# KiCad board cm4-baseboard.kicad_pcb (continued)
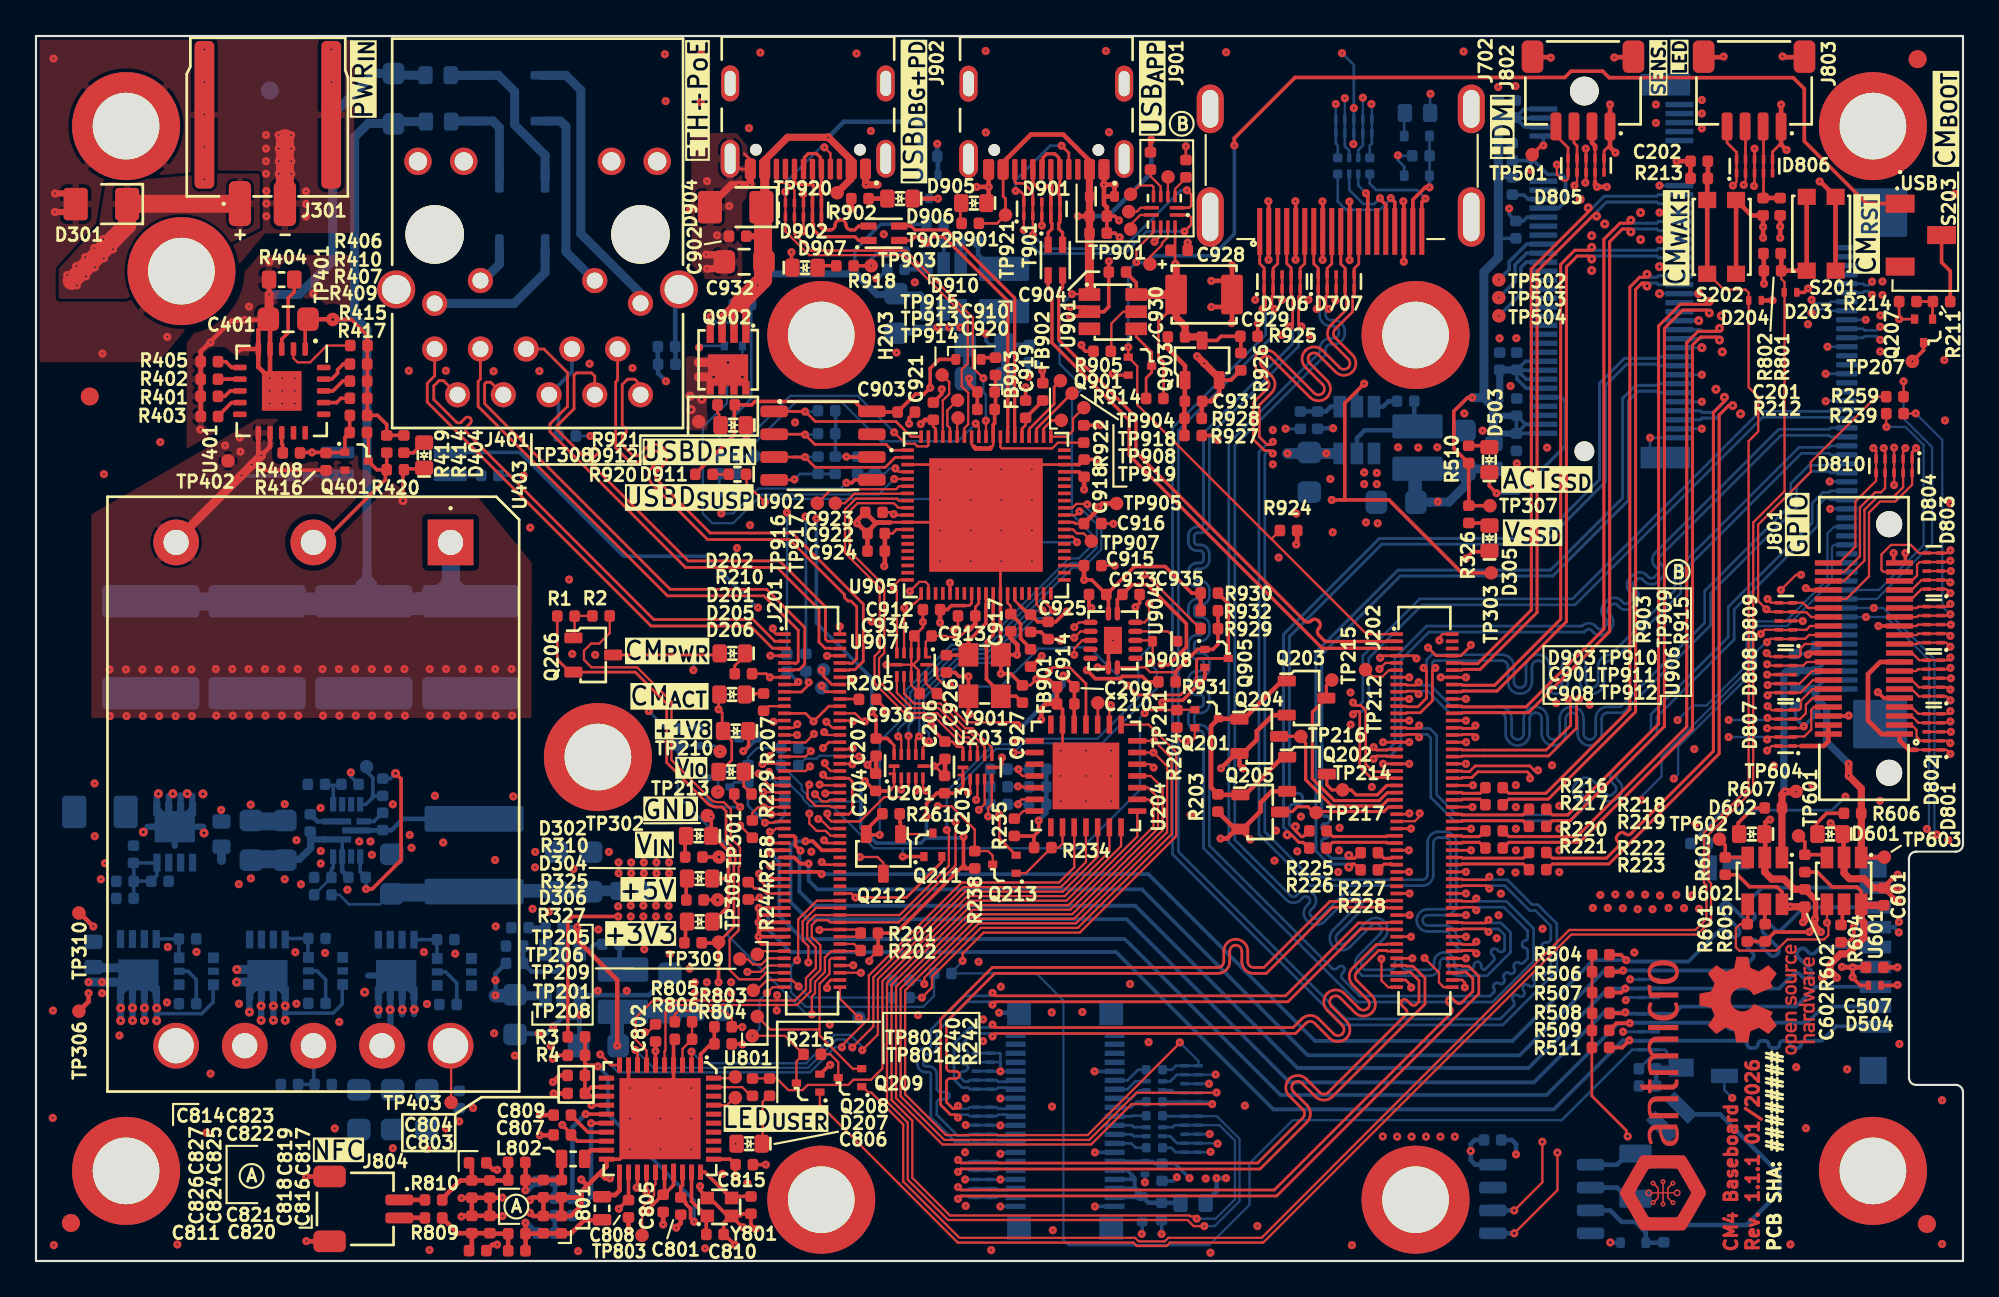
[diagram p0: board, top side]
## Placement (name value [footprint] x y rotation side) (continued)
R263  R_100k_0402  [R_0402_1005Metric]  39.53 27.05 90 bottom
R301  R_33k_0402  [R_0402_1005Metric]  8.41 14.28 0 bottom
R302  R_33k_0402  [R_0402_1005Metric]  22.88 14.24 0 bottom
R303  R_33k_0402  [R_0402_1005Metric]  15.6 14.3 0 bottom
R304  R_470k_0402  [R_0402_1005Metric]  8.41 17.88 180 bottom
R305  R_470k_0402  [R_0402_1005Metric]  22.75 17.84 180 bottom
R306  R_470k_0402  [R_0402_1005Metric]  15.6 17.9 180 bottom
R307  R_4k7_0402  [R_0402_1005Metric]  4.94 20.13 180 bottom
R308  R_0R_22.4A_0603  [R_0603_1608Metric]  10.3 23.7 90 bottom  (not fitted)
R309  R_4k7_0402  [R_0402_1005Metric]  4.94 21.08 0 bottom
R310  R_10k_0402  [R_0402_1005Metric]  36.52 22.42 0 top
R311  R_10k_0402  [R_0402_1005Metric]  26.57 16.53 180 bottom
R312  R_10k_0402  [R_0402_1005Metric]  26.57 17.48 0 bottom
R313  R_33k_0402  [R_0402_1005Metric]  15.57 26.46 180 bottom
R314  R_10k_0402  [R_0402_1005Metric]  17.43 26.46 180 bottom
R315  R_100k_0402  [R_0402_1005Metric]  19.25 26.3 270 bottom
R316  R_15k_0402  [R_0402_1005Metric]  15.92 20.32 0 bottom
R317  R_2k_0402  [R_0402_1005Metric]  15.92 21.29 0 bottom
R318  R_6k8_0402  [R_0402_1005Metric]  71.16 46.67 270 bottom
R319  R_2k2_0402  [R_0402_1005Metric]  70.21 46.67 90 bottom
R320  R_6k8_0402  [R_0402_1005Metric]  28.77 18.5 0 bottom
R321  R_2k2_0402  [R_0402_1005Metric]  26.88 18.5 0 bottom
R322  R_0R_22.4A_0603  [R_0603_1608Metric]  80.95 44.67 90 bottom
R323  R_0R_22.4A_0603  [R_0603_1608Metric]  37.4 13.82 0 bottom
R324  R_0R_22.4A_0603  [R_0603_1608Metric]  33 20.55 0 bottom
R325  R_1k_0402  [R_0402_1005Metric]  36.59 20.04 0 top
R326  R_470R_0402  [R_0402_1005Metric]  79.56 41.45 90 top
R327  R_470R_0402  [R_0402_1005Metric]  36.48 17.67 0 top
R328  R_0R_22.4A_0603  [R_0603_1608Metric]  3.18 17.02 90 bottom  (not fitted)
R401  R_1k3_0402  [R_0402_1005Metric]  9.62 48 0 top
R402  R_49k9_0402  [R_0402_1005Metric]  9.62 48.95 0 top
R403  R_0R_0402  [R_0402_1005Metric]  9.63 46.88 180 top
R404  R_63R4_0603  [R_0603_1608Metric]  13.64 54.48 0 top
R405  R_1k2_0402  [R_0402_1005Metric]  9.62 49.92 0 top
R406  R_24k9_0402  [R_0402_1005Metric]  17.93 50.82 0 top
R407  R_10k_0402  [R_0402_1005Metric]  17.91 48.84 0 top  (not fitted)
R408  R_10k_0402  [R_0402_1005Metric]  14.18 44.86 180 top
R409  R_10k_0402  [R_0402_1005Metric]  17.91 47.89 0 top  (not fitted)
R410  R_10k_0402  [R_0402_1005Metric]  17.91 49.79 0 top  (not fitted)
R411  R_200R_0402  [R_0402_1005Metric]  41.7 33.2 270 bottom
R412  R_200R_0402  [R_0402_1005Metric]  42.75 33.22 270 bottom
R413  R_200R_0402  [R_0402_1005Metric]  35.01 50.76 0 bottom
R414  R_24k9_0402  [R_0402_1005Metric]  20.42 45.35 90 top
R415  R_470k_0402  [R_0402_1005Metric]  17.91 46.94 0 top
R416  R_100k_0402  [R_0402_1005Metric]  16.1 44.38 90 top
R417  R_0R_0402  [R_0402_1005Metric]  17.9 45.99 180 top  (not fitted)
R418  R_470R_0402  [R_0402_1005Metric]  14.62 43.6 0 bottom
R419  R_470k_0402  [R_0402_1005Metric]  19.47 45.35 90 top  (not fitted)
R420  R_100k_0402  [R_0402_1005Metric]  19.95 43.92 180 top  (not fitted)
R421  R_470R_0402  [R_0402_1005Metric]  25.2 43.6 0 bottom
R422  R_0R_0402  [R_0402_1005Metric]  15.95 9.8 180 bottom  (not fitted)
R423  R_0R_0402  [R_0402_1005Metric]  14.07 9.8 180 bottom  (not fitted)
R501  R_10k_0402  [R_0402_1005Metric]  82.17 57.25 270 bottom
R502  R_10k_0402  [R_0402_1005Metric]  81.97 61.58 90 bottom
R503  R_10k_0402  [R_0402_1005Metric]  81.97 59.67 90 bottom
R504  R_10k_0402  [R_0402_1005Metric]  86.89 17 0 top
R505  R_470R_0402  [R_0402_1005Metric]  89.48 10.67 180 bottom
R506  R_10k_0402  [R_0402_1005Metric]  86.89 16.05 0 top
R507  R_10k_0402  [R_0402_1005Metric]  86.89 14.9 0 top
R508  R_10k_0402  [R_0402_1005Metric]  86.89 13.75 0 top
R509  R_10k_0402  [R_0402_1005Metric]  86.88 12.8 0 top
R510  R_470R_0402  [R_0402_1005Metric]  79.55 44.78 270 top
R511  R_10k_0402  [R_0402_1005Metric]  86.88 11.85 0 top
R512  R_470R_0402  [R_0402_1005Metric]  92.35 23.17 180 bottom
R513  R_10k_0402  [R_0402_1005Metric]  89.48 9.72 180 bottom
R601  R_100k_0402  [R_0402_1005Metric]  95.02 18.22 90 top
R602  R_10k_0402  [R_0402_1005Metric]  98.22 22.07 90 top
R603  R_10k_0402  [R_0402_1005Metric]  93.8 21.92 90 top
R604  R_4k7_0402  [R_0402_1005Metric]  100.23 18.17 90 top
R605  R_4k7_0402  [R_0402_1005Metric]  96.02 18.22 90 top
R606  R_1k_0402  [R_0402_1005Metric]  100.87 24.85 0 top
R607  R_470R_0402  [R_0402_1005Metric]  96.47 25.15 0 top
R701  R_4x100R_0402_array  [R_Array_4x0402_Panasonic_EXB28V]  73.17 60.79 0 bottom
R705  R_4x100R_0402_array  [R_Array_4x0402_Panasonic_EXB28V]  62.1 7.17 90 bottom
R706  R_4x100R_0402_array  [R_Array_4x0402_Panasonic_EXB28V]  62.1 9.72 90 bottom
R801  R_0R_0402  [R_0402_1005Metric]  96.85 58.52 270 top  (not fitted)
R802  R_0R_0402  [R_0402_1005Metric]  95.9 58.52 270 top
R803  R_10k_0402  [R_0402_1005Metric]  38.15 13 0 top  (not fitted)
R804  R_10k_0402  [R_0402_1005Metric]  38.15 12.05 180 top
R805  R_10k_0402  [R_0402_1005Metric]  35.95 13.28 180 top  (not fitted)
R806  R_10k_0402  [R_0402_1005Metric]  35.95 12.31 0 top
R807  R_2k2_0402  [R_0402_1005Metric]  28.33 1.55 0 bottom
R808  R_2k2_0402  [R_0402_1005Metric]  28.33 4.42 180 bottom
R809  R_0R_0402  [R_0402_1005Metric]  22.07 2.39 180 top
R810  R_0R_0402  [R_0402_1005Metric]  22.07 3.39 180 top
R811  R_2k2_0402  [R_0402_1005Metric]  90.38 1.52 270 bottom
R901  R_1k_0402  [R_0402_1005Metric]  51.88 57.6 0 top
R902  R_1k_0402  [R_0402_1005Metric]  45.75 58.97 180 top
R903  R_910k_0402  [R_0402_1005Metric]  61.88 61.07 270 top
R904  R_100k_0402  [R_0402_1005Metric]  39.22 53.1 180 bottom
R905  R_4k7_0402  [R_0402_1005Metric]  59.2 50.5 0 top
R906  R_10k_0402  [R_0402_1005Metric]  44.38 44.17 270 bottom
R907  R_2k2_0402  [R_0402_1005Metric]  43.42 44.17 90 bottom
R908  R_10k_0402  [R_0402_1005Metric]  43.9 45.92 180 bottom  (not fitted)
R909  R_10k_0402  [R_0402_1005Metric]  49.92 57.55 180 bottom
R910  R_10k_0402  [R_0402_1005Metric]  49.92 56.58 0 bottom
R911  R_10k_0402  [R_0402_1005Metric]  43.9 47.2 180 bottom  (not fitted)
R912  R_6k8_0402  [R_0402_1005Metric]  47.75 56 180 bottom
R913  R_2k2_0402  [R_0402_1005Metric]  47.75 55.05 0 bottom
R914  R_100k_0402  [R_0402_1005Metric]  62.12 47.88 180 top
R915  R_470k_0402  [R_0402_1005Metric]  63.85 60.64 90 top
R916  R_100k_0402  [R_0402_1005Metric]  38.42 44.66 0 bottom
R917  R_15k_0402  [R_0402_1005Metric]  38.42 43.7 0 bottom
R918  R_470R_0402  [R_0402_1005Metric]  44.92 55.24 0 top
R919  R_0R_0402  [R_0402_1005Metric]  55.15 50.38 270 bottom
R920  R_470R_0402  [R_0402_1005Metric]  37.09 43.67 180 top
R921  R_470R_0402  [R_0402_1005Metric]  38.33 47.53 0 top
R922  R_12k_0402  [R_0402_1005Metric]  58.17 45.91 270 top
R923  R_2k2_0402  [R_0402_1005Metric]  45.62 44.17 90 bottom
R924  R_10k_0402  [R_0402_1005Metric]  69.55 40.55 180 top
R925  R_100k_0402  [R_0402_1005Metric]  67.36 51.33 0 top
R926  R_200R_0402  [R_0402_1005Metric]  66.9 49.92 90 top
R927  R_4k7_0402  [R_0402_1005Metric]  64.25 45.82 180 top
R928  R_10k_0402  [R_0402_1005Metric]  64.25 46.78 0 top
R929  R_10k_0402  [R_0402_1005Metric]  65.15 35.1 180 top
R930  R_10k_0402  [R_0402_1005Metric]  65.15 37.07 0 top
R931  R_0R_0402  [R_0402_1005Metric]  62.8 32.15 180 top
R932  R_10k_0402  [R_0402_1005Metric]  65.15 36.1 180 top  (not fitted)
R933  R_10k_0402  [R_0402_1005Metric]  49.08 62.77 270 bottom
R934  R_10k_0402  [R_0402_1005Metric]  49.56 61.32 0 bottom
REF**  -  [Fiducial_1mm_Mask2mm]  2.98 47.99 0 top
REF**#2  LOGO  [oshw-logo]  95.58 14.51 90 top
REF**#3  -  [Fiducial_1mm_Mask2mm]  105 2.05 0 top
REF**#4  -  [Fiducial_1mm_Mask2mm]  104.48 66.72 0 top
REF**#5  -  [antmicro-logo_scaled_15mm]  90.41 9.64 90 top
REF**#6  -  [Fiducial_1mm_Mask2mm]  1.94 2.11 0 top
REF**#7  -  [Fiducial_1mm_Mask2mm]  104.48 66.72 180 bottom
REF**#8  -  [Fiducial_1mm_Mask2mm]  105 2.05 180 bottom
REF**#9  -  [Fiducial_1mm_Mask2mm]  1.94 2.11 180 bottom
REF**#10  -  [Fiducial_1mm_Mask2mm]  12.98 64.98 180 bottom
S201  -  [SW_KMR211NGLFS_SMD]  99.12 57.02 270 top
S202  -  [SW_KMR211NGLFS_SMD]  93.6 56.85 270 top
S203  CAS-120TA  [Switch_Slide_CAS-120TA]  104.66 56.95 270 top
T901  Choke_DLW21SN900SQ2L  [Choke_Murata-DLW21]  56.6 55.56 270 top
T902  Choke_DLW21SN900SQ2L  [Choke_Murata-DLW21]  47.08 57.05 0 top
TP201  TP_0.75mm_SMD  [TP_SMD_0.75mm]  40.05 13.57 180 top
TP202  TP_0.75mm_SMD  [TP_SMD_0.75mm]  45.7 13.5 0 bottom
TP203  TP_0.75mm_SMD  [TP_SMD_0.75mm]  43.73 32.82 0 bottom
TP204  TP_0.75mm_SMD  [TP_SMD_0.75mm]  43.63 31.82 0 bottom
TP205  TP_0.75mm_SMD  [TP_SMD_0.75mm]  40.05 17.03 180 top
TP206  TP_0.75mm_SMD  [TP_SMD_0.75mm]  39.08 16.76 180 top
TP207  TP_0.75mm_SMD  [TP_SMD_0.75mm]  104.19 49.94 180 top
TP208  TP_0.75mm_SMD  [TP_SMD_0.75mm]  39.77 12.5 180 top
TP209  TP_0.75mm_SMD  [TP_SMD_0.75mm]  39.83 15.03 180 top
TP210  TP_0.75mm_SMD  [TP_SMD_0.75mm]  37.98 28.29 180 top
TP211  TP_0.75mm_SMD  [TP_SMD_0.75mm]  58.96 30.98 0 top
TP212  TP_0.75mm_SMD  [TP_SMD_0.75mm]  73.83 32.82 180 top
TP213  TP_0.75mm_SMD  [TP_SMD_0.75mm]  37.85 26.04 180 top
TP214  TP_0.75mm_SMD  [TP_SMD_0.75mm]  72.55 26.15 0 top
TP215  TP_0.75mm_SMD  [TP_SMD_0.75mm]  71.95 32.25 0 top
TP216  TP_0.75mm_SMD  [TP_SMD_0.75mm]  70.23 29.12 0 top
TP217  TP_0.75mm_SMD  [TP_SMD_0.75mm]  71.08 24.89 0 top
TP301  TP_0.75mm_SMD  [TP_SMD_0.75mm]  37.92 22.42 0 top
TP302  TP_0.75mm_SMD  [TP_SMD_0.75mm]  37.28 24.73 0 top
TP303  TP_0.75mm_SMD  [TP_SMD_0.75mm]  80.8 38.2 270 top
TP304  TP_0.75mm_SMD  [TP_SMD_0.75mm]  18.35 27.44 270 bottom
TP305  TP_0.75mm_SMD  [TP_SMD_0.75mm]  37.85 20.05 270 top
TP306  TP_0.75mm_SMD  [TP_SMD_0.75mm]  2.38 13.87 0 top
TP307  TP_0.75mm_SMD  [TP_SMD_0.75mm]  80.73 41.92 270 top
TP308  TP_0.75mm_SMD  [TP_SMD_0.75mm]  36.8 46.6 0 top
TP309  TP_0.75mm_SMD  [TP_SMD_0.75mm]  37.9 17.7 270 top
TP310  TP_0.75mm_SMD  [TP_SMD_0.75mm]  2.38 19.32 0 top
TP401  TP_0.75mm_SMD  [TP_SMD_0.75mm]  16.48 52.27 0 top
TP402  TP_0.75mm_SMD  [TP_SMD_0.75mm]  10.66 44.42 0 top
TP403  TP_0.75mm_SMD  [TP_SMD_0.75mm]  23.05 8.8 0 top
TP501  TP_0.75mm_SMD  [TP_SMD_0.75mm]  83.08 61.42 180 top
TP502  TP_0.75mm_SMD  [TP_SMD_0.75mm]  81.22 54.47 180 top
TP503  TP_0.75mm_SMD  [TP_SMD_0.75mm]  81.22 53.47 180 top
TP504  TP_0.75mm_SMD  [TP_SMD_0.75mm]  81.23 52.47 180 top
TP601  TP_0.75mm_SMD  [TP_SMD_0.75mm]  97.87 23.6 270 top
TP602  TP_0.75mm_SMD  [TP_SMD_0.75mm]  93.47 23.42 0 top
TP603  TP_0.75mm_SMD  [TP_SMD_0.75mm]  102.63 22.42 0 top
TP604  TP_0.75mm_SMD  [TP_SMD_0.75mm]  97.73 26.07 0 top
TP801  TP_0.75mm_SMD  [TP_SMD_0.75mm]  38.83 9.07 270 top
TP802  TP_0.75mm_SMD  [TP_SMD_0.75mm]  38.83 10.22 270 top
TP803  TP_0.75mm_SMD  [TP_SMD_0.75mm]  33.65 1.42 270 top
TP901  TP_0.75mm_SMD  [TP_SMD_0.75mm]  61.86 55.34 0 top
TP902  TP_0.75mm_SMD  [TP_SMD_0.75mm]  39.88 44.67 0 bottom
TP903  TP_0.75mm_SMD  [TP_SMD_0.75mm]  46.38 55.25 180 top
TP904  TP_0.75mm_SMD  [TP_SMD_0.75mm]  56.88 48.87 0 top
TP905  TP_0.75mm_SMD  [TP_SMD_0.75mm]  60 42.05 0 top
TP906  TP_0.75mm_SMD  [TP_SMD_0.75mm]  46.58 43.72 180 bottom
TP907  TP_0.75mm_SMD  [TP_SMD_0.75mm]  58.6 39.96 0 top
TP908  TP_0.75mm_SMD  [TP_SMD_0.75mm]  58.18 47.37 0 top
TP909  TP_0.75mm_SMD  [TP_SMD_0.75mm]  62.86 60.18 0 top
TP910  TP_0.75mm_SMD  [TP_SMD_0.75mm]  60.78 59.22 0 top
TP911  TP_0.75mm_SMD  [TP_SMD_0.75mm]  60.67 58.25 0 top
TP912  TP_0.75mm_SMD  [TP_SMD_0.75mm]  60.78 57.28 0 top
TP913  TP_0.75mm_SMD  [TP_SMD_0.75mm]  51.17 47.78 180 top
TP914  TP_0.75mm_SMD  [TP_SMD_0.75mm]  51.2 46.8 180 top
TP915  TP_0.75mm_SMD  [TP_SMD_0.75mm]  50.31 49.19 180 top
TP916  TP_0.75mm_SMD  [TP_SMD_0.75mm]  43.38 42.07 0 top
TP917  TP_0.75mm_SMD  [TP_SMD_0.75mm]  44.38 42.07 0 top
TP918  TP_0.75mm_SMD  [TP_SMD_0.75mm]  57.53 48.17 0 top
TP919  TP_0.75mm_SMD  [TP_SMD_0.75mm]  56.93 46.67 0 top
TP920  TP_0.75mm_SMD  [TP_SMD_0.75mm]  44.48 59.3 0 top
TP921  TP_0.75mm_SMD  [TP_SMD_0.75mm]  53.83 58.07 0 top
U201  TXB0104_UQFN  [UQFN-12_2x1.7mm_P0.4mm_Texas_RUT]  48.45 27.47 90 top
U203  TXB0104_UQFN  [UQFN-12_2x1.7mm_P0.4mm_Texas_RUT]  52.27 27.4 90 top
U204  MCP23017T-E_QFN  [QFN-28-1EP_6x6mm_P0.65mm_EP3.7x3.7mm]  58.3 26.92 270 top
U301  AP62301_TSOT  [TSOT23-6]  73.35 46.13 90 bottom
U302  AP62301_TSOT  [TSOT23-6]  29.24 15.97 90 bottom
U303  AP62600SJ-7  [V-QFN2030-12]  17.25 23.9 270 bottom
U401  TPS2372-3RGWR  [VQFN-20_5x5x1mm_P0.65mm]  13.64 48.3 270 top
U402  ACPL-217-500E  [SOIC-4_4.55x2.6mm_P1.27mm]  19.88 44.25 180 bottom
U403  ULS-12_5-D48N-C  [Conv_Murata_ULS-60W]  23.02 39.89 270 top
U601  AP22615A_TSOT26  [TSOT23-6]  100.4 21.1 270 top
U602  AP22615A_TSOT26  [TSOT23-6]  96 21.1 270 top
U801  PN7160A1_VFQFN  [VFQFN-40-1EP_6x6mm]  34.65 7.9 270 top
U802  DS1338_SOIC  [SOIC-8_3.9x4.9x1.75mm_P1.27mm]  83.61 3.44 180 bottom
U901  AP22615A_TSOT26  [TSOT23-6]  59.79 52.7 0 top
U902  93AA66C_SOIC  [SOIC-8_3.9x4.9x1.75mm_P1.27mm]  43.7 45.26 0 top
U903  AP62301_TSOT  [TSOT23-6]  50.4 54.1 90 bottom
U904  NTS0104_DHVQFN  [DHVQFN-14-1EP_2.5x3mm]  59.8 34.45 0 top
U905  FT4233HPQ  [QFN-76-1EP_9x9mm_P0.4mm_EP6.3x6.3mm]  52.75 41.41 0 top
U906  TUSB321RWBR  [Texas_X2QFN-12_1.6x1.6mm_P0.4mm]  62.65 58.27 180 top
U907  TXB0104_UQFN  [UQFN-12_2x1.7mm_P0.4mm_Texas_RUT]  48.6 33.1 270 top
Y801  Resonator_27.12MHz_XRCGB  [Resonator_SMD_Murata_XRCGB_2x1.6x0.65mm]  37.95 3 90 top
Y802  Resonator_32.768kHz_CM7V-T1A  [Resonator_SMD_MicroCrystal_CM7V-T1A_3.2x1.5x0.65mm]  88.81 4.71 270 bottom
Y901  Resonator_12MHz_ABM8G  [Resonator_SMD_Abracon_ABM8G_3.2x2.5mm]  52.72 32.55 270 top

## Library data of the parts
BT801 = -: Datasheet: https://www.sii.co.jp/en/me/datasheets/ms-rechargeable/ms621fe/; Description: Rechargeable Battery, Coin Cell, Single Cell, 3 V, Lithium Manganese Dioxide, 5.5 mAh, Button Cell; Manufacturer: Seiko Instruments; MPN: MS621FE-FL11E; Author: Antmicro; License: Apache-2.0
C201 C202 C210 C302 C307-C310 C403 C601 C602 C901 C903 C904 C906 C909 C910 C912-C923 C928 C930 = -: Datasheet: https://www.murata.com/products/productdetail?partno=GRM155R61H104KE14%23; Manufacturer: Murata; MPN: GRM155R61H104KE14D; Val: 100n; License: Apache-2.0; Author: Antmicro; Voltage: 50V; Dielectric: X5R
C203 C204 C206 C207 C804 C809 C902 C933-C936 = -: Datasheet: https://www.murata.com/products/productdetail?partno=GRM155R61H104KE14%23; MPN: GRM155R61H104KE14D; Manufacturer: Murata; License: Apache-2.0; Author: Antmicro; Val: 100n; Voltage: 50V; Dielectric: X5R
C209 C501 C503 C505 C701-C703 C908 = -: Datasheet: https://www.yageo.com/en/Chart/Download/pdf/CC0402MRX5R5BB106; MPN: CC0402MRX5R5BB106; Manufacturer: YAGEO; License: Apache-2.0; Author: Antmicro; Val: 10u
C301 C931 = -: Datasheet: https://www.murata.com/products/productdetail?partno=GRM155R61E105KE11%23; MPN: GRM155R61E105KE11J; Manufacturer: Murata; License: Apache-2.0; Author: Antmicro; Val: 1u; Voltage: 25V; Dielectric: X5R
C303-C306 C312-C318 C408-C410 C905 C907 C911 C932 = -: Datasheet: https://product.samsungsem.com/mlcc/CL21A226MAYNNN.do; Manufacturer: Samsung Electro-Mechanics; MPN: CL21A226MAYNNNE; Val: 22u; License: Apache-2.0; Author: Antmicro; Voltage: 25V; Dielectric: X5R; Public: False
C311 C502 C504 C506 C507 C603 C604 = -: Datasheet: https://product.tdk.com/en/search/capacitor/ceramic/mlcc/info?part_no=C1005X6S1A105K050BC; Manufacturer: TDK; MPN: C1005X6S1A105K050BC; Val: 1u; License: Apache-2.0; Author: Antmicro
C401 = -: Datasheet: https://product.samsungsem.com/mlcc/CL21B104KCFNNN.do; Manufacturer: Samsung Electro-Mechanics; MPN: CL21B104KCFNNNE; Val: 100n; License: Apache-2.0; Author: Antmicro; Voltage: 100V; Dielectric: X7R; Public: False
C402 = -: Datasheet: https://www.murata.com/products/productdetail?partno=GRM155R71H103KA88%23; Manufacturer: Murata; MPN: GRM155R71H103KA88D; Val: 10n; License: Apache-2.0; Author: Antmicro; Voltage: 50V; Dielectric: X7R
C404-C407 = -: Datasheet: https://product.tdk.com/en/search/capacitor/ceramic/mlcc/info?part_no=C5750X7S2A226M280KB; Manufacturer: TDK; MPN: C5750X7S2A226M280KB; Val: 22u; License: Apache-2.0; Author: Antmicro; Voltage: 100V; Dielectric: X7S; Public: False
C411 = -: Datasheet: https://www.murata.com/products/productdetail?partno=GRM155R61H104KE14%23; MPN: GRM155R61H104KE14D; Manufacturer: Murata; Val: 100n; License: Apache-2.0; Author: Antmicro; Voltage: 50V; Dielectric: X5R
C801 C803 = -: Datasheet: https://www.murata.com/products/productdetail?partno=GRM155R61A475MEAA%23; MPN: GRM155R61A475MEAAD; Manufacturer: Murata; License: Apache-2.0; Author: Antmicro; Val: 4u7
C802 = -: Datasheet: https://product.tdk.com/en/search/capacitor/ceramic/mlcc/info?part_no=C1005X6S1A105K050BC; MPN: C1005X6S1A105K050BC; Manufacturer: TDK; License: Apache-2.0; Author: Antmicro; Val: 1u
C805-C808 = -: Datasheet: https://product.tdk.com/en/search/capacitor/ceramic/mlcc/info?part_no=C1005X5R1A225K050BC; MPN: C1005X5R1A225K050BC; Manufacturer: TDK; License: Apache-2.0; Author: Antmicro; Val: 2u2
C810 C815 = -: Datasheet: https://www.murata.com/products/productdetail?partno=GCM1555C1H100GA16%23; MPN: GCM1555C1H100GA16D; Manufacturer: Murata; License: Apache-2.0; Author: Antmicro; Val: 10p; Voltage: 50V; Dielectric: C0G
C811 C814 = -: Datasheet: https://product.tdk.com/en/search/capacitor/ceramic/mlcc/info?part_no=CGA2B2C0G1H120J050BA; Description: SMD Multilayer Ceramic Capacitor, 12 pF, 50 V, 0402 [1005 Metric], ± 5%, C0G / NP0, CGA; MPN: CGA2B2C0G1H120J050BA; Manufacturer: TDK; License: Apache-2.0; Author: Antmicro; Val: 12p
C812 C813 = -: Datasheet: https://www.murata.com/products/productdetail?partno=GRM1555C1H102JA01%23; Description: SMD Multilayer Ceramic Capacitor, 1000 pF, 50 V, 0402 [1005 Metric], ± 5%, C0G / NP0, GRM Series; MPN: GRM1555C1H102JA01D; Manufacturer: Murata; License: Apache-2.0; Author: Antmicro; Val: 1n; Voltage: 50V; Dielectric: C0G
C816 C817 C820 C823 C826 C827 = -: Datasheet: template_datasheet; MPN: template_MPN; Manufacturer: template_manufacturer; License: Apache-2.0; Author: Antmicro; Val: template_value; Voltage: template_voltage; Dielectric: template_dielectric
C818 C819 = -: Datasheet: https://search.murata.co.jp/Ceramy/image/img/A01X/G101/ENG/GRM1555C2A471JE01-01A.pdf; Description: MLCC, SMD/SMT, 100V, 470pF, C0G/NP0, 0402 5%; MPN: GRM1555C2A471JE01D; Manufacturer: Murata; License: Apache-2.0; Author: Antmicro; Val: 470p; Voltage: 100V; Dielectric: C0G/NP0
C821 C822 = -: Datasheet: https://eu.mouser.com/datasheet/3/5926/1/C0GNP0_Dielectric.pdf; Description: Multilayer Ceramic Capacitors MLCC, 36 pF, 25V, 0402, C0G, 5%; MPN: 04023A360JAT2A; Manufacturer: KYOCERA AVX; License: Apache-2.0; Author: Antmicro; Val: 36pF; Voltage: 25 V; Dielectric: C0G (NP0)
C824 C825 = -: Datasheet: https://spicat.kyocera-avx.com/product/mlcc/chartview/04025A390JAT2A/; Description: SMD Multilayer Ceramic Capacitor, 39 pF, 50 V, 0402 [1005 Metric], ± 5%, C0G / NP0, AVX 0402 MLCC; MPN: 04025A390JAT2A; Manufacturer: KYOCERA AVX; License: Apache-2.0; Author: Antmicro; Val: 39p
C828 = -: Datasheet: https://www.murata.com/products/productdetail?partno=GRM155R61H104KE14%23; Description: SMD Multilayer Ceramic Capacitor, 0.1 µF, 50 V, 0402 [1005 Metric], ± 10%, X5R, GRM Series; MPN: GRM155R61H104KE14D; Manufacturer: Murata; License: Apache-2.0; Author: Antmicro; Val: 100n; Voltage: 50V; Dielectric: X5R
C924 C925 = -: Datasheet: https://www.murata.com/products/productdetail?partno=GRM155R61A475MEAA%23; Manufacturer: Murata; MPN: GRM155R61A475MEAAD; Val: 4u7; License: Apache-2.0; Author: Antmicro
C926 C927 = -: Datasheet: https://product.samsungsem.com/mlcc/CL05C180JB51PN.do; Manufacturer: Samsung Electro-Mechanics; MPN: CL05C180JB51PNC; Val: 18p; License: Apache-2.0; Author: Antmicro
C929 = -: Datasheet: https://www.kemet.com/en/us/capacitors/product/T520B337M006ATE040.html; Val: 330u; MPN: T520B337M006ATE040; Manufacturer: KEMET; License: Apache-2.0; Author: Antmicro; Voltage: 6.3V; Dielectric: template_dielectric
D201 D202 D205-D207 D302 D304-D306 D404 D503 D601 D602 D905-D907 D912 = -: Datasheet: http://www.kingbright.com/attachments/file/psearch//000/00/00/KP-1608CGCK(Ver.23B).pdf; MPN: KP-1608CGCK; Manufacturer: Kingbright; Color: Green; Author: Antmicro; License: Apache-2.0
D203 D204 D504 D711 = -: Datasheet: https://www.ti.com/general/docs/suppproductinfo.tsp?distId=26&gotoUrl=https://www.ti.com/lit/gpn/tpd1e0b04; MPN: TPD1E0B04DPYR; Manufacturer: Texas Instruments; Author: Antmicro; License: Apache-2.0
D301 D303 D904 = -: Datasheet: https://www.littelfuse.com/media?resourcetype=datasheets&itemid=d2ba8fab-1de3-4176-8530-f36ecb0b8799&filename=smf4l; Manufacturer: Littelfuse; Author: Antmicro; License: Apache-2.0
D401 D402 = -: Datasheet: https://www.bourns.com/docs/product-datasheets/CD-MMBL110S.pdf; Manufacturer: Bourns; Author: Antmicro; License: Apache-2.0
D403 = -: Datasheet: https://assets.nexperia.com/documents/data-sheet/PTVSXS1UR_SER.pdf; Manufacturer: Nexperia; Author: Antmicro; License: Apache-2.0
D501 D502 D701-D708 D801-D810 D901 D902 = -: Datasheet: https://mouser.com/datasheet/2/916/PUSB3F96-1600324.pdf; Manufacturer: Nexperia; MPN: PUSB3F96X; Author: Antmicro; License: Apache-2.0
D603 D604 D709 D712 D903 = -: Datasheet: https://assets.nexperia.com/documents/data-sheet/PESD5Z5_0.pdf; Manufacturer: Nexperia; MPN: PESD5Z5.0F; Author: Antmicro; License: Apache-2.0
D710 D811 D908 D910 = -: Datasheet: https://www.onsemi.com/pdf/datasheet/rb521s30t1-d.pdf; Manufacturer: ON Semiconductor; Author: Antmicro; License: Apache-2.0
D911 = -: Datasheet: https://www.vishay.com/docs/82554/vlmo1500.pdf; MPN: VLMY1500-GS08; Manufacturer: Vishay; Author: Antmicro; License: Apache-2.0; Color: Yellow
FB401 FB402 FB701 FB702 = -: Datasheet: https://product.tdk.com/info/en/catalog/datasheets/beads_commercial_power_mpz1608_en.pdf; MPN: MPZ1608S221ATA00; Manufacturer: TDK; Author: Antmicro; License: Apache-2.0; Val: 220Z/2.2A
FB901-FB903 = -: Datasheet: https://www.murata.com/en-us/products/productdata/8796740059166/ENFA0018.pdf; MPN: BLM15PD121SN1D; Manufacturer: Murata; Author: Antmicro; License: Apache-2.0; Val: 120Z/1.3A
H101-H104 = -: Datasheet: https://www.we-online.com/components/products/datasheet/9774060151R.pdf; Manufacturer: Würth Elektronik; MPN: 9774060151R; Author: Antmicro; License: Apache-2.0
H201-H204 = -: Datasheet: https://www.we-online.com/catalog/datasheet/9774030151.pdf; Manufacturer: Würth Elektronik; MPN: 9774030151R; Author: Antmicro; License: Apache-2.0
H501 = -: Datasheet: https://www.we-online.com/components/products/datasheet/9774025151R.pdf; Manufacturer: Würth Elektronik; MPN: 9774025151R; Author: Antmicro; License: Apache-2.0
H701 = -: Datasheet: https://www.we-online.com/components/products/datasheet/9774020151R.pdf; Manufacturer: Würth Elektronik; MPN: 9774020151R; Author: Antmicro; License: Apache-2.0
J201 J202 = -: Datasheet: https://www.hirose.com/en/product/document?clcode=CL0684-4151-0-51&productname=DF40HC(3.0)-100DS-0.4V(51&series=DF40&documenttype=Catalog&lang=en&documentid=en_DF40_CAT; Manufacturer: Hirose Electric; MPN: DF40HC(3.0)-100DS-0.4V(51); Author: Antmicro; License: Apache-2.0; Pitch: 0.4 mm
J301 = -: Datasheet: https://www.farnell.com/cad/3578051.pdf; Manufacturer: Molex; MPN: 105430-1202; Author: Antmicro; License: Apache-2.0
J401 = -: Datasheet: https://www.te.com/commerce/DocumentDelivery/DDEController?Action=showdoc&DocId=Customer+Drawing%7F5-2337992-8%7FA%7Fpdf%7FEnglish%7FENG_CD_5-2337992-8_A.pdf%7F5-2337992-8; MPN: 5-2337992-8; Manufacturer: TE Connectivity; Author: Antmicro; License: Apache-2.0; ki_fp_filters: CONN18_5-2337992-8_TEC
J501 = -: Datasheet: https://www.te.com/commerce/DocumentDelivery/DDEController?Action=srchrtrv&DocNm=2199230&DocType=Customer+Drawing&DocLang=English; Manufacturer: TE Connectivity; MPN: 1-2199230-6; Author: Antmicro; License: Apache-2.0
J502 = -: Datasheet: https://cdn.amphenol-cs.com/media/wysiwyg/files/documentation/datasheet/inputoutput/io_micro_sdcard.pdf; MPN: 1140084168; Manufacturer: Amphenol; Author: Antmicro; License: Apache-2.0
J601 = -: Datasheet: https://www.we-online.com/components/products/datasheet/68715014522.pdf; MPN: 68715014522; Manufacturer: Würth Elektronik; Author: Antmicro; License: Apache-2.0
J701 = -: Datasheet: https://www.molex.com/pdm_docs/sd/543630489_sd.pdf; MPN: 543630489; Manufacturer: Molex; Pitch: 0.5 mm; Author: Antmicro; License: Apache-2.0
J702 = -: Datasheet: https://www.we-online.com/components/products/datasheet/685119134923.pdf; MPN: 685119134923; Manufacturer: Würth Elektronik; Author: Antmicro; License: Apache-2.0; ki_fp_filters: 685119134923
J801 = -: Datasheet: https://suddendocs.samtec.com/productspecs/erm5-erf5.pdf?_gl=1*1g914su*_ga*MTE0MzExNjY4MC4xNjcyMTQ5NTUz*_ga_3KFNZC07WW*MTY3Mjg0NzY5Ny42LjEuMTY3Mjg0ODE3MS42MC4wLjA.; MPN: ERF5-020-05.0-L-DV-K-TR; Manufacturer: Samtec; Author: Antmicro; License: Apache-2.0; Pitch: 0.5 mm
J802 J803 = -: Datasheet: https://www.jst-mfg.com/product/pdf/eng/eSH.pdf; MPN: SM04B-SRSS-TB(LF)(SN); Manufacturer: JST Automotive Connectors; Author: Antmicro; License: Apache-2.0
J804 = -: Datasheet: https://www.jst-mfg.com/product/pdf/eng/eSH.pdf; MPN: SM02B-SRSS-TB(LF)(SN); Manufacturer: JST Automotive Connectors; Author: Antmicro; License: Apache-2.0
J901 J902 = -: Datasheet: https://gct.co/files/drawings/usb4105.pdf; Manufacturer: GCT; MPN: USB4105-GF-A; Author: Antmicro; License: Apache-2.0
L301 L302 L901 = -: Datasheet: https://www.mouser.com/datasheet/2/54/SRP3212A-3011944.pdf; Manufacturer: Bourns; MPN: SRP3212A-1R0M; Size: 3.2x2.5; Val: 1u/5.5A; Author: Antmicro; License: Apache-2.0; ISat: 6.5 A; IMax: 5.5 A
L303 = -: Datasheet: https://www.mouser.com/datasheet/2/597/xal60xx-270658.pdf; Manufacturer: Coilcraft; MPN: XAL6030-182MEC; Size: 6.36x6.56; Val: 1.8u/14A; Author: Antmicro; License: Apache-2.0; ISat: 18.2 A; IMax: 14 A
L801 L802 = -: Datasheet: https://www.te.com/commerce/DocumentDelivery/DDEController?Action=showdoc&DocId=Data+Sheet%7F1773163%7FE%7Fpdf%7FEnglish%7FENG_DS_1773163_E.pdf; Description: RF Inductor - 160 nH, 5%, 280 mA, 0603; Val: 160 nH; Manufacturer: TE Connectivity; MPN: 36501JR16JTDG; IMax: 0.28 A; Size: 1.8 x 1.12; Author: Antmicro; License: Apache-2.0
M201 = -: Datasheet: https://datasheets.raspberrypi.com/cm4/cm4-datasheet.pdf; Manufacturer: Raspberry Pi; MPN: SC0294; Author: Antmicro; License: Apache-2.0
M501 = -: Description: Mechanical model for M2 2280 2.5mm module; Author: Antmicro; License: Apache-2.0
Q201 Q207-Q211 Q213 Q214 Q401 Q901 Q904-Q906 = -: Datasheet: https://www.mouser.com/datasheet/2/1057/PJE138K-1876698.pdf; MPN: PJE138K_R1_00001; Manufacturer: PANJIT; Author: Antmicro; License: Apache-2.0
Q202-Q206 Q212 Q903 = -: Datasheet: https://www.mouser.com/datasheet/2/408/SSM3J332R_datasheet_en_20181015-1150575.pdf; MPN: SSM3J332R,LF; Manufacturer: Toshiba; Author: Antmicro; License: Apache-2.0
Q301-Q303 = -: Datasheet: https://www.mouser.com/datasheet/2/115/DIOD_S_A0011803041_1-2543705.pdf; Manufacturer: Diodes Incorporated; Author: Antmicro; License: Apache-2.0
Q304-Q307 Q902 = -: Datasheet: https://www.vishay.com/docs/65529/sqs401en.pdf; Manufacturer: Vishay; Author: Antmicro; License: Apache-2.0
R1 R212-R214 R262 R263 R315 R416 R420 R601 R904 R914 R916 R925 = -: Datasheet: https://www.bourns.com/docs/product-datasheets/cr.pdf; Manufacturer: Bourns; MPN: CR0402-FX-1003GLF; Val: 100k; License: Apache-2.0; Author: Antmicro; Tolerance: 1%
R2 R201 R202 R206 R208 R209 R216-R223 R225-R228 R239 R240 R244 R258 R259 R403 R417 R422 R423 R919 R931 = -: Datasheet: https://industrial.panasonic.com/cdbs/www-data/pdf/RDA0000/AOA0000C301.pdf; Manufacturer: Panasonic; MPN: ERJ2GE0R00X; Val: 0R; License: Apache-2.0; Author: Antmicro; Current: 1A
R3 R4 R809 R810 = -: Datasheet: https://industrial.panasonic.com/cdbs/www-data/pdf/RDA0000/AOA0000C301.pdf; Description: SMD Chip Resistor, Jumper, 0 ohm, 100 mW, 0402 [1005 Metric], Thick Film, General Purpose; MPN: ERJ2GE0R00X; Manufacturer: Panasonic; License: Apache-2.0; Author: Antmicro; Val: 0R; Current: 1A
R203 R204 R260 R261 = -: Datasheet: https://www.bourns.com/docs/product-datasheets/cr.pdf; MPN: CR0402-FX-1003GLF; Manufacturer: Bourns; License: Apache-2.0; Author: Antmicro; Val: 100k; Tolerance: 1%
R205 R801 R802 = -: Datasheet: https://industrial.panasonic.com/cdbs/www-data/pdf/RDA0000/AOA0000C301.pdf; MPN: ERJ2GE0R00X; Manufacturer: Panasonic; License: Apache-2.0; Author: Antmicro; Val: 0R; Current: 1A
R207 R224 R229 R325 R606 R901 R902 = -: Datasheet: https://www.bourns.com/docs/product-datasheets/cr.pdf; MPN: CR0402-FX-1001GLF; Manufacturer: Bourns; License: Apache-2.0; Author: Antmicro; Val: 1k; Tolerance: 1%
R210 R211 R326 R327 R418 R421 R505 R510 R512 R607 R918 R920 = -: Datasheet: https://www.bourns.com/docs/product-datasheets/cr.pdf; Manufacturer: Bourns; MPN: CR0402-FX-4700GLF; Val: 470R; License: Apache-2.0; Author: Antmicro; Tolerance: 1%
R215 R907 = -: Datasheet: https://www.bourns.com/docs/product-datasheets/cr.pdf; Manufacturer: Bourns; MPN: CR0402-FX-2201GLF; Val: 2k2; License: Apache-2.0; Author: Antmicro; Tolerance: 1%
R230-R237 R803-R806 = -: Datasheet: https://www.bourns.com/docs/product-datasheets/cr.pdf; MPN: CR0402-FX-1002GLF; Manufacturer: Bourns; License: Apache-2.0; Author: Antmicro; Val: 10k; Tolerance: 1%
R238 R310-R312 R314 R407-R410 R501-R504 R506-R509 R511 R513 R602 R603 R906 R908-R911 R924 R928-R930 R932-R934 = -: Datasheet: https://www.bourns.com/docs/product-datasheets/cr.pdf; Manufacturer: Bourns; MPN: CR0402-FX-1002GLF; Val: 10k; License: Apache-2.0; Author: Antmicro; Tolerance: 1%
R241 R243 R319 R321 R913 R923 = -: Datasheet: https://www.bourns.com/docs/product-datasheets/cr.pdf; MPN: CR0402-FX-2201GLF; Manufacturer: Bourns; License: Apache-2.0; Author: Antmicro; Val: 2k2; Tolerance: 1%
R242 R411-R413 = -: Datasheet: https://www.bourns.com/docs/product-datasheets/cr.pdf; Manufacturer: Bourns; MPN: CR0402-FX-2000GLF; Val: 200R; License: Apache-2.0; Author: Antmicro; Tolerance: 1%
R301-R303 R313 = -: Datasheet: https://www.bourns.com/docs/product-datasheets/cr.pdf; MPN: CR0402-FX-3302GLF; Manufacturer: Bourns; License: Apache-2.0; Author: Antmicro; Val: 33k; Tolerance: 1%
R304-R306 R915 = -: Datasheet: https://www.bourns.com/docs/product-datasheets/cr.pdf; MPN: CR0402-FX-4703GLF; Manufacturer: Bourns; License: Apache-2.0; Author: Antmicro; Val: 470k; Tolerance: 1%
R307 R309 R604 R605 R905 R927 = -: Datasheet: https://www.bourns.com/docs/product-datasheets/cr.pdf; Manufacturer: Bourns; MPN: CR0402-FX-4701GLF; Val: 4k7; License: Apache-2.0; Author: Antmicro; Tolerance: 1%
